# Altium PCB Weather_Station_ETH_HERMETIC.PcbDoc (part 1 of 5)
Units mil, origin at the board's own origin, x right, y up, seen from the top; angles counter-clockwise.
Board outline 6385.86 x 4338.61 mil, 2 copper layers (TopLayer, BottomLayer), stack 61.855 mil thick; 510 components, 370 nets, 1634 pads, 870 vias.
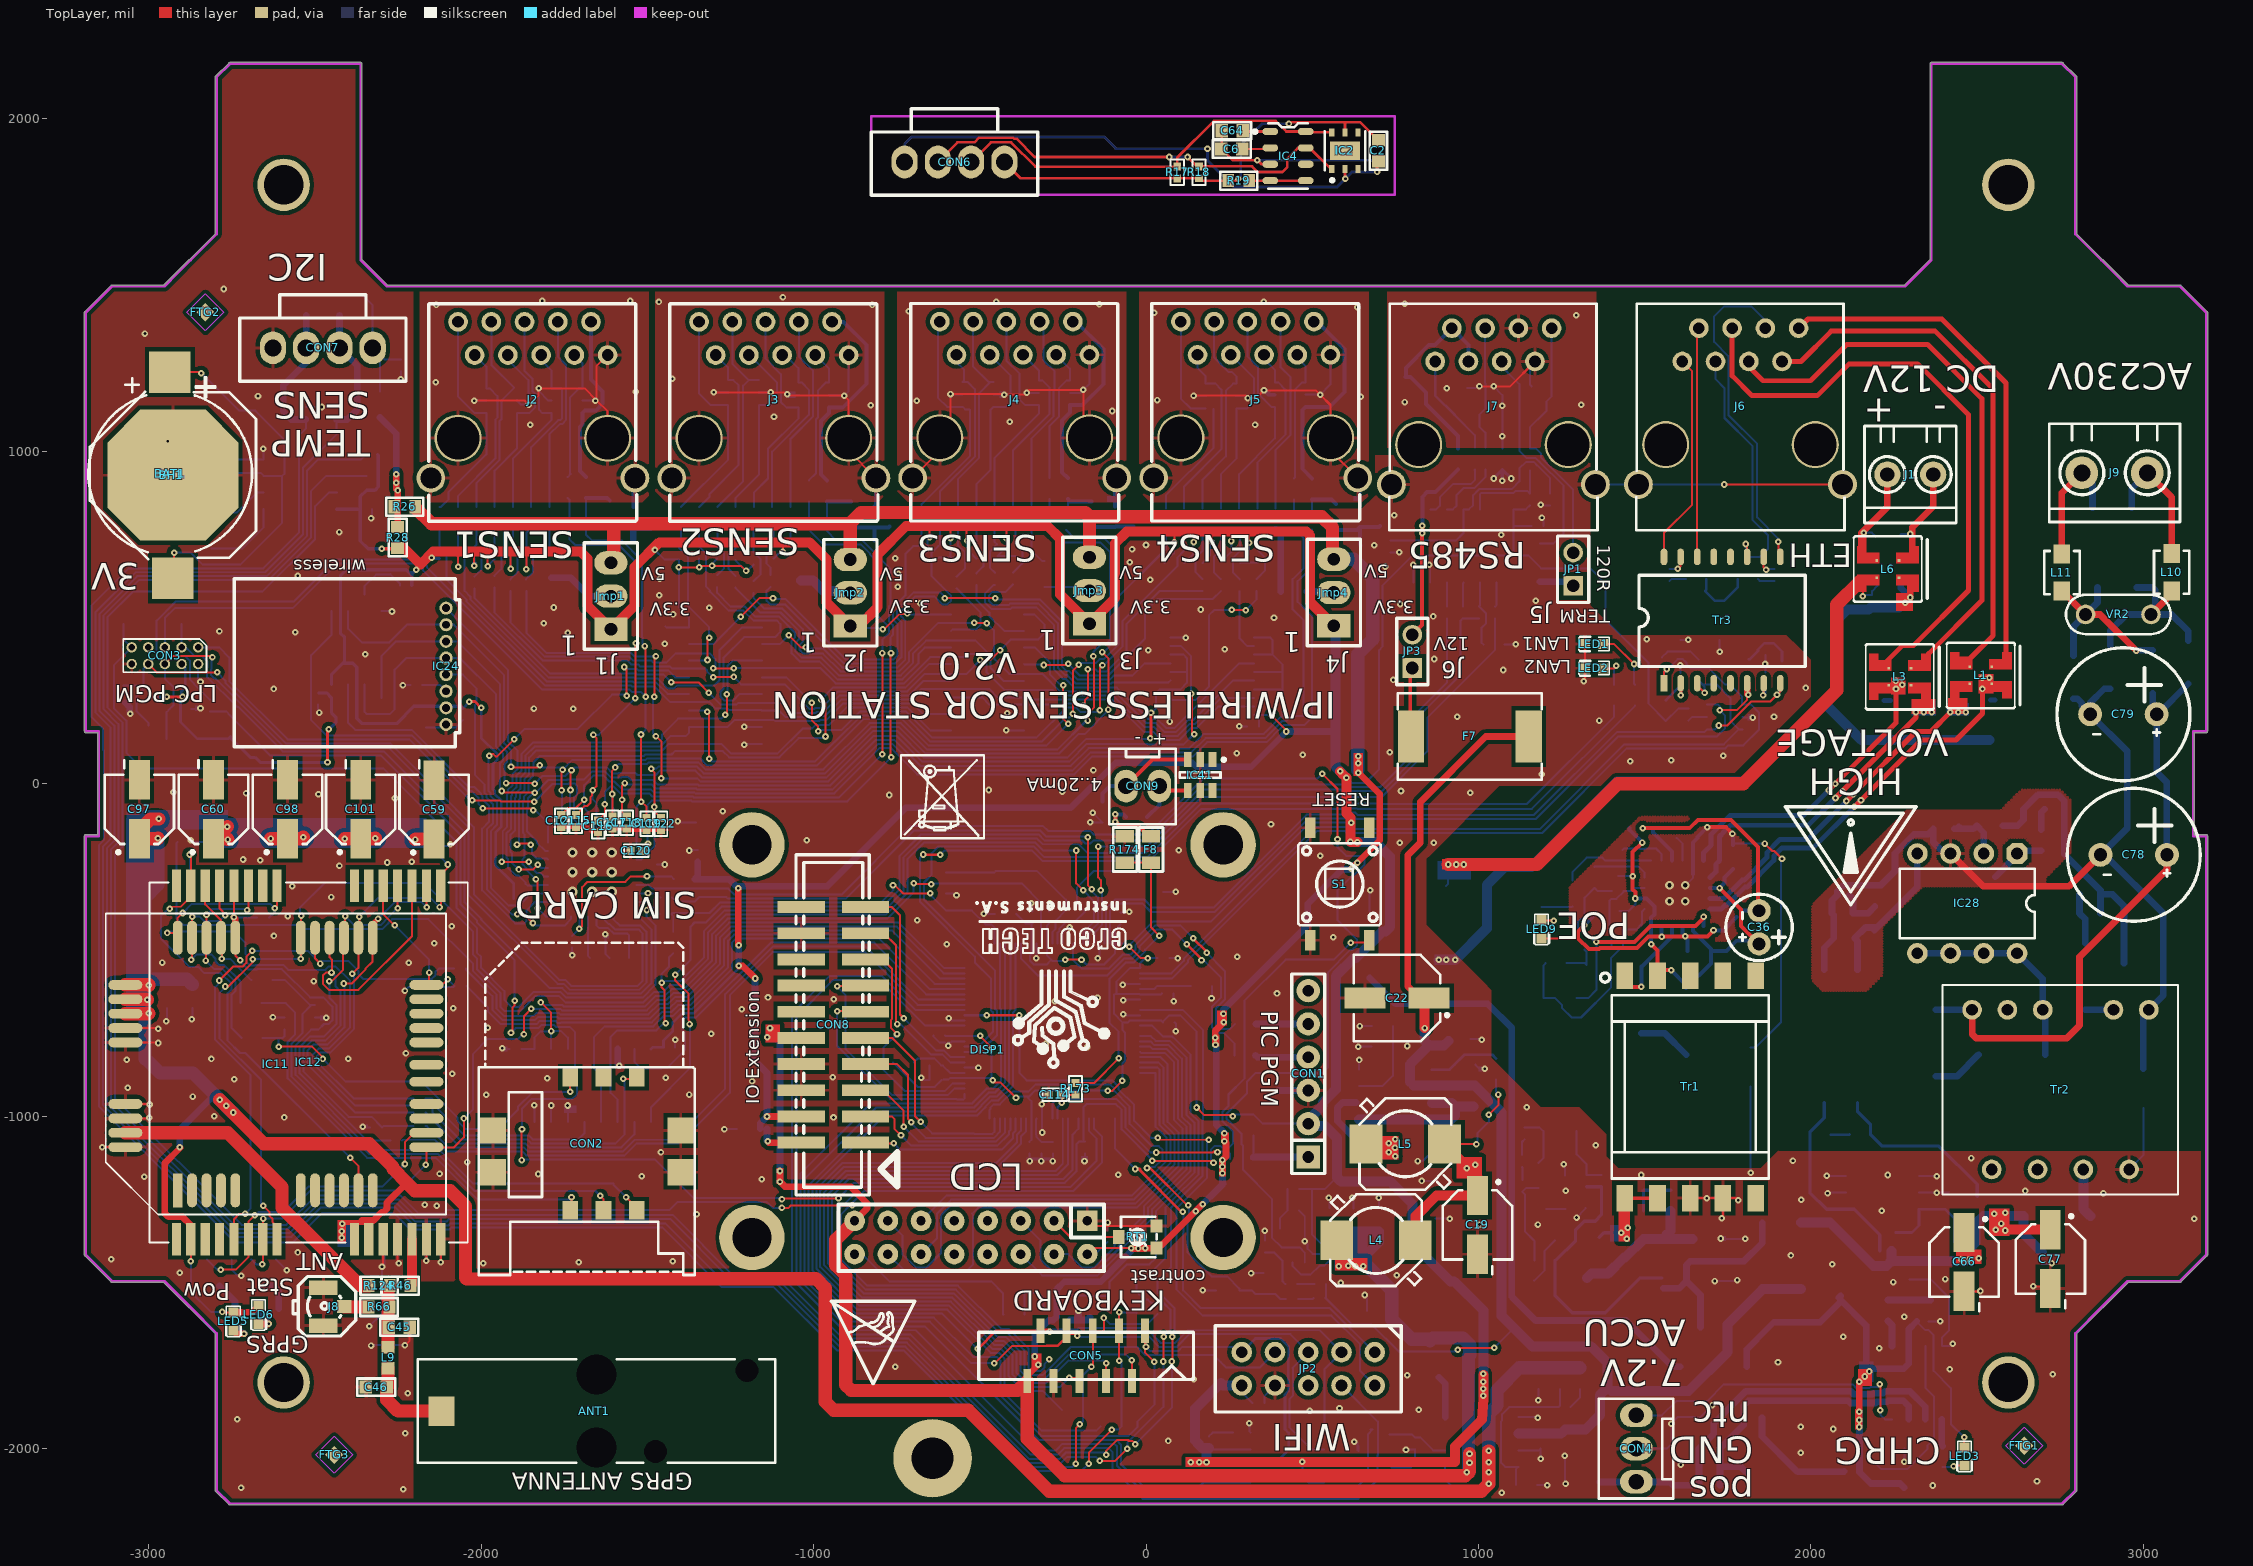
[diagram p0: TopLayer view]
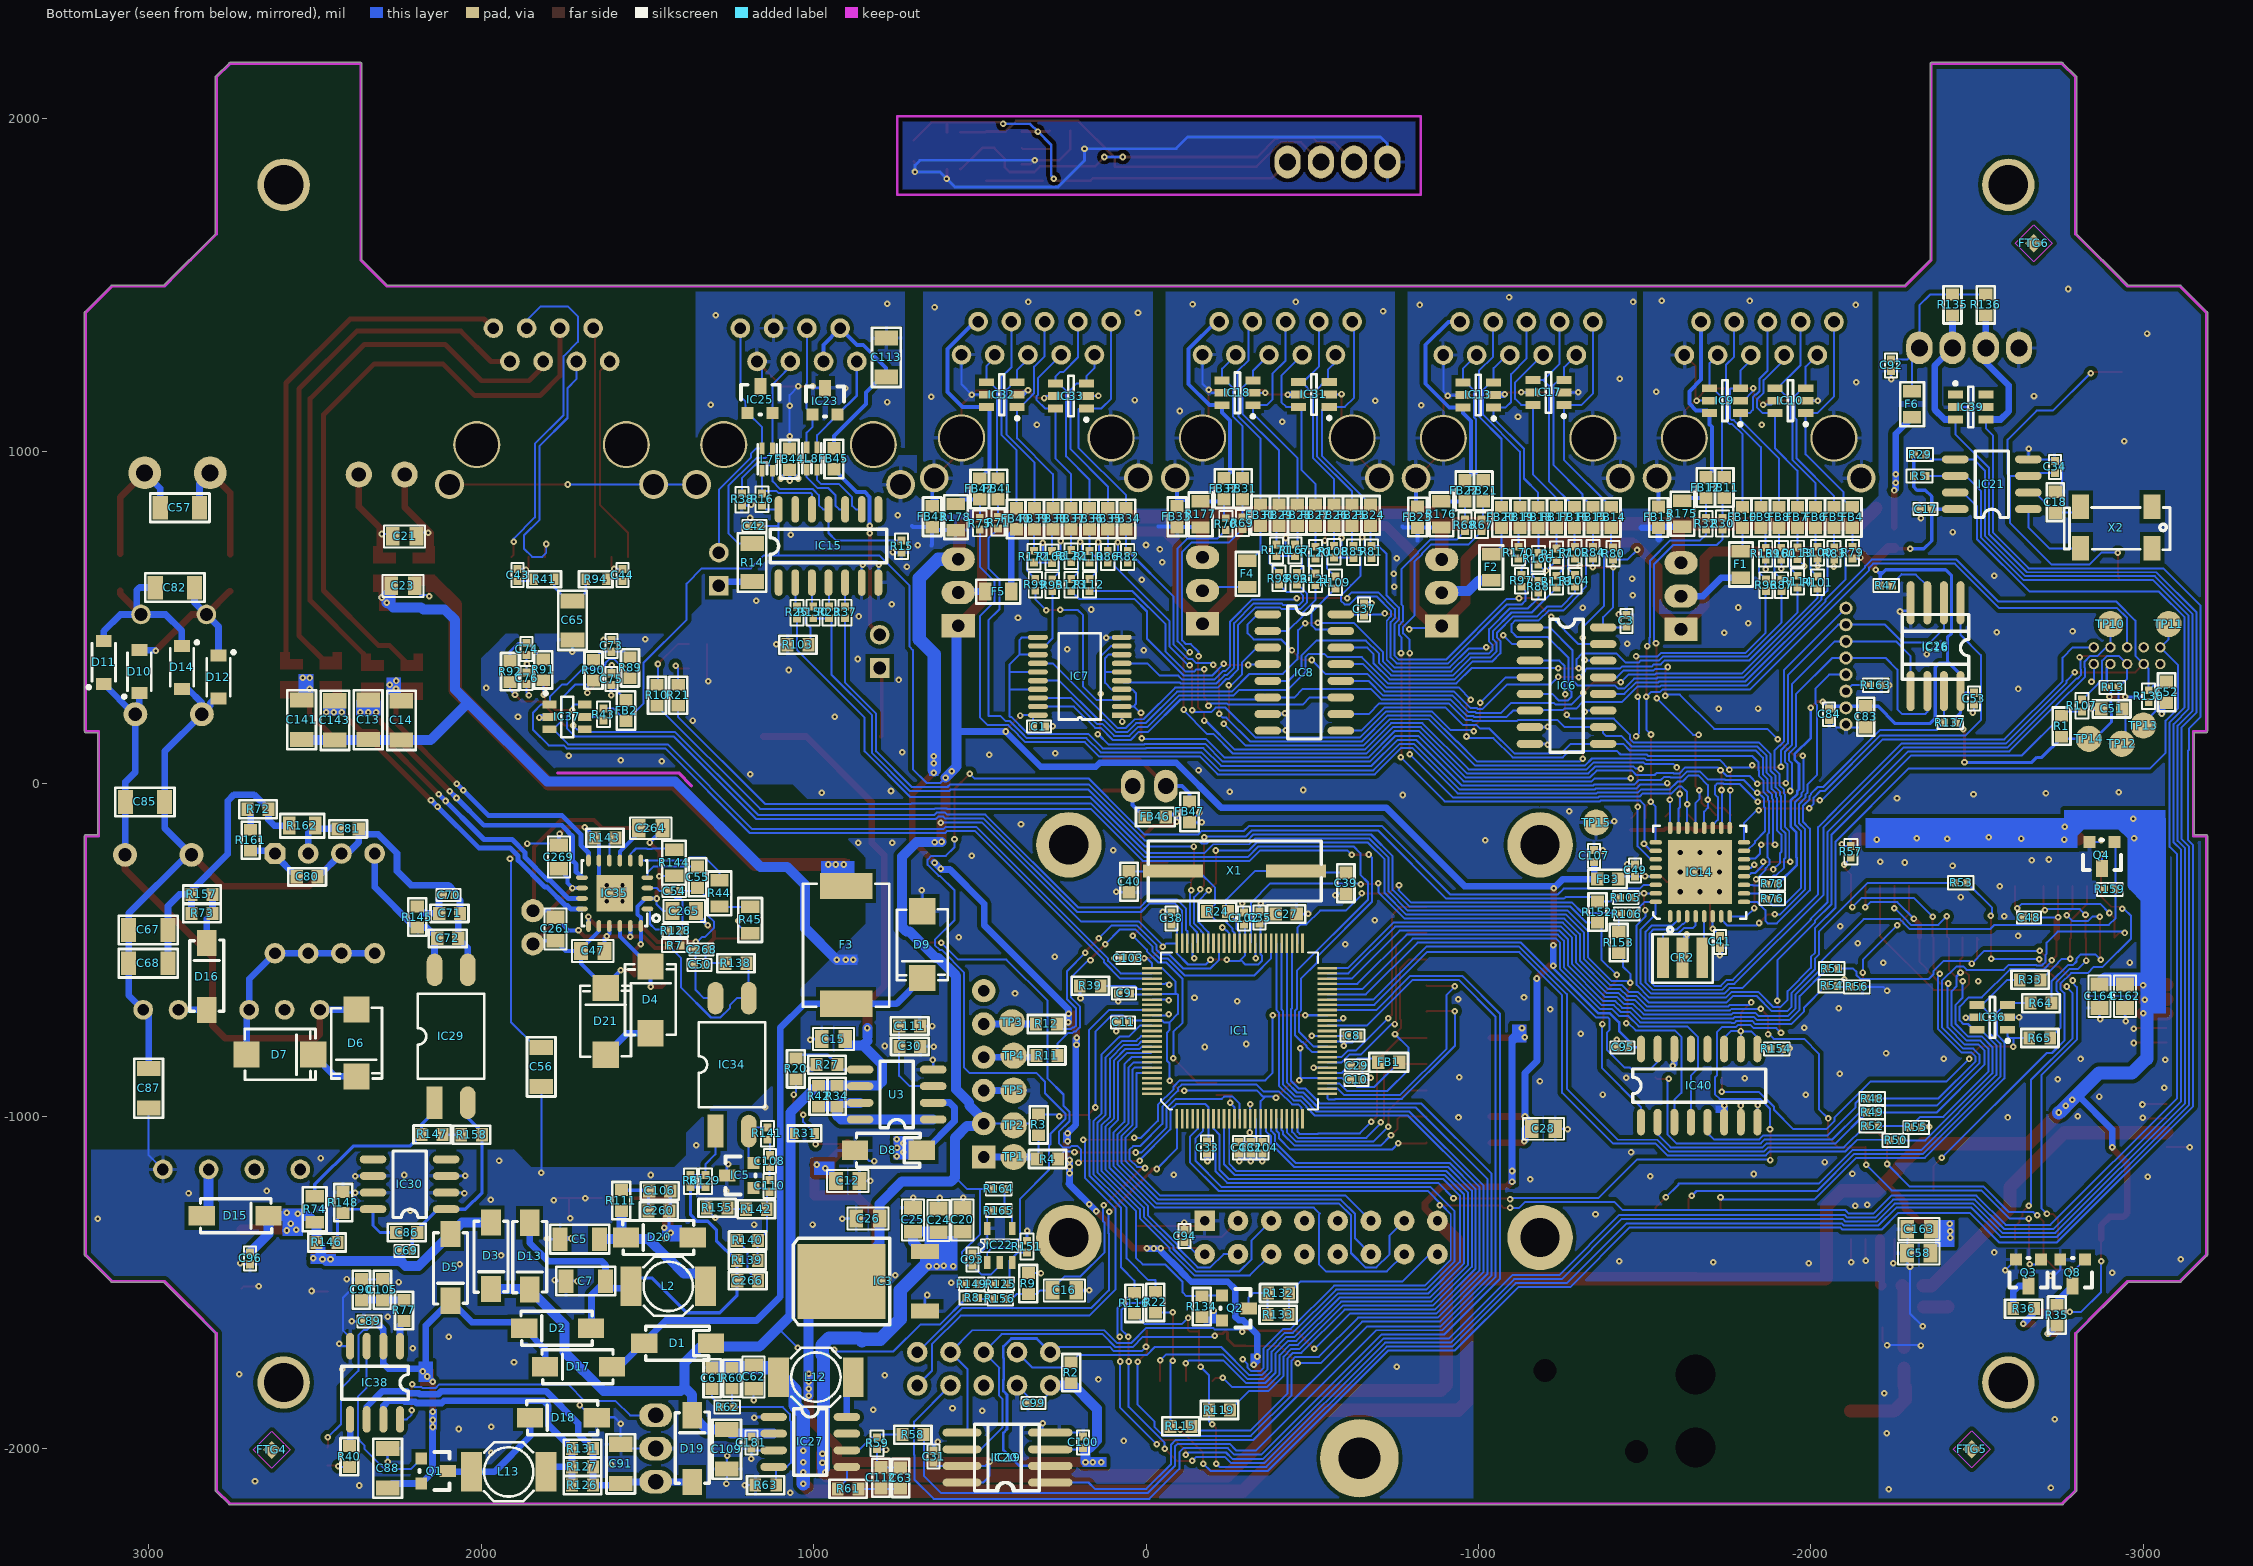
[diagram p1: BottomLayer view, seen from below]

## Layer stack, top to bottom
TopLayer: signal copper 1.4
Dielectric: core 59.0551, FR-4, Dk 4.8
BottomLayer: signal copper 1.4

## Board outline
-3191.77,-1420.12 cw(c-3188.98,-1417.32) -3192.93,-1417.32 -3192.93,-157.48 cw(c-3188.98,-157.48) -3188.98,-153.53 -3153.56,-153.53 -3153.56,153.53 -3188.98,153.53 cw(c-3188.98,157.48) -3192.93,157.48 -3192.93,1417.32 cw(c-3188.98,1417.32) -3191.77,1420.12 -3113.03,1498.86 cw(c-3110.24,1496.06) -3110.24,1500.02 -2954.39,1500.02 -2799.23,1655.18 -2799.23,2125.98 cw(c-2795.28,2125.98) -2798.07,2128.78 -2758.7,2168.15 cw(c-2755.91,2165.35) -2755.91,2169.31 -2362.2,2169.31 cw(c-2362.2,2165.35) -2358.25,2165.35 -2358.25,1576.44 -2281.83,1500.02 2281.83,1500.02 2358.25,1576.44 2358.25,2165.35 cw(c2362.2,2165.35) 2362.2,2169.31 2755.91,2169.31 cw(c2755.91,2165.35) 2758.7,2168.15 2798.07,2128.78 cw(c2795.28,2125.98) 2799.23,2125.98 2799.23,1655.18 2954.39,1500.02 3110.24,1500.02 cw(c3110.24,1496.06) 3113.03,1498.86 3191.77,1420.12 cw(c3188.98,1417.32) 3192.93,1417.32 3192.93,157.48 cw(c3188.98,157.48) 3188.98,153.53 3153.56,153.53 3153.56,-153.53 3188.98,-153.53 cw(c3188.98,-157.48) 3192.93,-157.48 3192.93,-1417.32 cw(c3188.98,-1417.32) 3191.77,-1420.12 3113.03,-1498.86 cw(c3110.24,-1496.06) 3110.24,-1500.01 2954.39,-1500.01 2799.23,-1655.18 2799.23,-2125.98 cw(c2795.28,-2125.98) 2798.07,-2128.78 2758.7,-2168.15 cw(c2755.91,-2165.35) 2755.91,-2169.31 ccw(c2755.91,-2165.35) 2758.7,-2168.15 2755.91,-2169.31 -2755.91,-2169.31 cw(c-2755.91,-2165.35) -2758.7,-2168.15 -2798.07,-2128.78 cw(c-2795.28,-2125.98) -2799.23,-2125.98 -2799.23,-1655.18 -2954.39,-1500.01 -3110.24,-1500.01 cw(c-3110.24,-1496.06) -3113.03,-1498.86

## Design rules (kind name [scope] priority, off if disabled: settings)
AcuteAngle [All] p1: minimum=6.00000000000000E+0001
Clearance Clearance_poly [(InPolygon)] p1: gap=12
Clearance [All] p2: gap=6
DiffPairsRouting [All] p1: maxlimit=20 minlimit=15 mostfreqgap=17 maxuncoupledlength=500
HoleSize [All] p1: absolutevalues=TRUE maxlimit=196.85 minlimit=7.87 maxpercent=80.000 minpercent=20.000
MinimumSolderMaskSliver [All] p1 off: minsoldermaskwidth=0
PlaneClearance [All] p1: clearance=8
PlaneConnect PlaneConnect_pad [(InPadClass('All Pads'))] p1: planeconnectstyle=Relief reliefexpansion=20 reliefentries=4 reliefconductorwidth=10 reliefairgap=10
PlaneConnect [All] p2: planeconnectstyle=Direct reliefexpansion=20 reliefentries=4 reliefconductorwidth=10 reliefairgap=10
PolygonConnect PolygonConnect_pad [(InPadClass('All Pads'))] p1: connectstyle=Relief reliefconductorwidth=10 reliefentries=4 polygonreliefangle="90 Angle"
PolygonConnect [All] p2: connectstyle=Direct reliefconductorwidth=10 reliefentries=4 polygonreliefangle="90 Angle"
RoomDefinition Weather_Station_ETH [InComponentClass('Weather_Station_ETH')] p1 off: confinementstyle=ConfineIn formatcopy=TRUE lockcomponents=FALSE outline 3237.98,-2251.96 4979,-2251.96 4979,-1862.55 3237.98,-1862.55
RoomDefinition U_ACC_charger [InComponentClass('U_ACC_charger')] p2 off: confinementstyle=ConfineIn formatcopy=TRUE lockcomponents=FALSE outline 3236.21,-2081.71 7803.14,-2081.71 7803.14,-1569.9 3236.21,-1569.9
RoomDefinition U_Temp_hum_sensor [InComponentClass('U_Temp_hum_sensor')] p3 off: confinementstyle=ConfineIn formatcopy=TRUE lockcomponents=FALSE outline -5197.33,-2005 -3505,-2005 -3505,-1398.39 -5197.33,-1398.39
RoomDefinition U_RS422 [InComponentClass('U_RS422')] p4 off: confinementstyle=ConfineIn formatcopy=TRUE lockcomponents=FALSE outline 670,425 1370,425 1370,1485 670,1485
RoomDefinition U_GPRS [InComponentClass('U_GPRS')] p5 off: confinementstyle=ConfineIn formatcopy=TRUE lockcomponents=FALSE outline -3185,-2185 -1000,-2185 -1000,255 -3185,255
RoomDefinition U_AC_SUPPLY [InComponentClass('U_AC_SUPPLY')] p6 off: confinementstyle=ConfineIn formatcopy=TRUE lockcomponents=FALSE outline 1955,-1650 3225,-1650 3225,1055 1955,1055
RoomDefinition U_supply [InComponentClass('U_supply')] p7 off: confinementstyle=ConfineIn formatcopy=TRUE lockcomponents=FALSE outline 2010,-2150 2010,65 375,65 375,-2150
RoomDefinition U_sensors [InComponentClass('U_sensors')] p8 off: confinementstyle=ConfineIn formatcopy=TRUE lockcomponents=FALSE outline -2215,60 720,60 720,1490 -2215,1490
RoomDefinition U_ETH_Wifi [InComponentClass('U_ETH_Wifi')] p9 off: confinementstyle=ConfineIn formatcopy=TRUE lockcomponents=FALSE outline 6614.88,-1331.27 11075.36,-1331.27 11075.36,936.54 6614.88,936.54
RoomDefinition U_CPU [InComponentClass('U_CPU')] p10 off: confinementstyle=ConfineIn formatcopy=TRUE lockcomponents=FALSE outline -1490,150 -120,150 -120,-2215 -1490,-2215
RoutingVias [All] p1: holewidth=7.87 width=19.68 viastyle="Through Hole" minholewidth=7.87 minwidth=19.68 maxholewidth=7.87 maxwidth=19.68
SilkToSilkClearance [All] p1 off: silktosilkclearance=0
SilkscreenOverComponentPads [All] p1: minsilkscreentomaskgap=0
SolderMaskExpansion [All] p1: expansion=4
ViasUnderSMD [All] p1: allowed=FALSE
Width Width_1 [(InDifferentialPairClass('All Differential Pairs'))] p1: maxlimit=8 minlimit=8 preferedwidth=8
Width [All] p2: maxlimit=50 minlimit=6 preferedwidth=10 minimp=50.000000 maximp=50.000000 favimp=50.000000
21 further rules are at their usual default settings.

## Classes and differential pairs
component class Weather_Station_ETH: FTG1 FTG2 FTG3 FTG4 FTG5 FTG6
component class U_CPU: C41 C49 C51 C52 C53 C83 C84 C93 C115 C116 C117 C118 C119 C120 C121 C122 CON3 CR2 FB3 IC14 IC16 IC22 IC24 IC26 R13 R47 R76 R78 R105 R106 R107 R125 R130 R137 R149 R151 R163 R164 R165 TP10 TP11 TP12 TP13 TP14 TP15
component class U_ETH_Wifi: BAT1 BH1 C4 C8 C9 C10 C11 C16 C17 C18 C29 C31 C32 C33 C34 C35 C38 C39 C40 C43 C44 C65 C73 C74 C75 C76 C92 C94 C95 C99 C100 C102 C103 C104 C107 C114 CON1 CON5 CON7 CON8 CON9 DISP1 F6 F8 FB1 FB2 FB46 FB47 IC1 IC19 IC20 IC21 IC37 IC39 IC40 IC41 J6 JP2 LED1 LED2 Q2 R1 R2 R3 R4 R5 R8 R9 R10 R11 R12 R21 R22 R24 R26 R28 R29 R39 R41 R43 R89 R90 R91 R92 R94 R115 R116 R119 R132 R133 R134 R135 R136 R152 R153 R154 R156 R173 R174 RT1 S1 TP1 TP2 TP3 TP4 TP5 Tr3 X1 X2
component class U_supply: C5 C7 C12 C13 C14 C15 C19 C20 C21 C22 C23 C24 C25 C26 C27 C28 C30 C36 C47 C50 C54 C55 C56 C106 C108 C110 C111 C141 C143 C260 C261 C264 C265 C266 C268 C269 D1 D3 D4 D8 D9 D13 D20 D21 F3 IC3 IC5 IC34 IC35 J1 L1 L2 L3 L4 L5 L6 LED9 R6 R7 R20 R27 R31 R34 R42 R44 R45 R111 R128 R129 R138 R139 R140 R141 R142 R143 R144 R155 Tr1 U3
component class U_Temp_hum_sensor: C2 C6 C64 CON6 IC2 IC4 R17 R18 R19
component class U_AC_SUPPLY: C57 C66 C67 C68 C69 C70 C71 C72 C77 C78 C79 C80 C81 C82 C85 C86 C87 C96 D6 D7 D10 D11 D12 D14 D15 D16 IC28 IC29 IC30 J9 L10 L11 R72 R73 R74 R145 R146 R147 R148 R157 R158 R161 R162 Tr2 VR2
component class U_GPRS: ANT1 C45 C46 C48 C58 C59 C60 C61 C62 C63 C97 C98 C101 C109 C112 C162 C163 C164 C181 CON2 E1 IC11 IC12 IC27 IC36 J8 L9 L12 LED5 LED6 Q3 Q4 Q8 R33 R35 R36 R46 R48 R49 R50 R51 R52 R53 R54 R55 R56 R57 R58 R59 R60 R61 R62 R63 R64 R65 R66 R124 R159 U1 U2 U20
component class U_RS422: C42 C113 F7 FB44 FB45 IC15 IC23 IC25 J7 JP1 JP3 JP222 L7 L8 R14 R15 R16 R23 R25 R37 R38 R103 R150
component class U_sensors: C1 C3 C37 F1 F2 F4 F5 FB4 FB5 FB6 FB7 FB8 FB9 FB10 FB11 FB12 FB13 FB14 FB15 FB16 FB17 FB18 FB19 FB20 FB21 FB22 FB23 FB24 FB25 FB26 FB27 FB28 FB29 FB30 FB31 FB32 FB33 FB34 FB35 FB36 FB37 FB38 FB39 FB40 FB41 FB42 FB43 IC6 IC7 IC8 IC9 IC10 IC13 IC17 IC18 IC31 IC32 IC33 J2 J3 J4 J5 Jmp1 Jmp2 Jmp3 Jmp4 R30 R32 R67 R68 R69 R70 R71 R75 R79 R80 R81 R82 R83 R84 R85 R86 R87 R88 R93 R95 R96 R97 R98 R99 R100 R101 R102 R104 R108 R109 R110 R112 R113 R114 R117 R118 R120 R121 R122 R123 R160 R166 R167 R168 R169 R170 R171 R172 R175 R176 R177 R178
component class U_ACC_charger: C88 C89 C90 C91 C105 CON4 D2 D5 D17 D18 D19 IC38 L13 LED3 Q1 R40 R77 R126 R127 R131

## Components (designator, comment, footprint, x,y, rotation, side; value= is the part's Value field where it differs from the comment)
ANT1 "1020B5812-01" ANT27.3X7.9 -1652.76,-1887.05 r270 top locked
BAT1 "CR1220  battery" cr1220 -2935,933 r90 top
BH1 "CR1220 Keystone 3000 (1650692)" CR1220_Keystone_3000 -2927,928 r270 top locked
C1 "100nF" 0402C 322,172 r180 bottom
C2 "1u" 0603C 699,1903.49 r90 top
C3 "100nF" 0402C -1445,490 r90 bottom
C4 "100nF" 0402C -279,-1095 r90 bottom
C5 "22u/16V" 1206C 1702.06,-1370 r0 bottom
C6 "1u" 0603C 258.49,1909 r0 top
C7 "22u/16V" 1206C 1684.06,-1496 r0 bottom
C8 "100nF" 0402C -621.67,-757.6 r0 bottom
C9 "100nF" 0402C 65.72,-631 r0 bottom
C10 "100nF" 0402C -633,-891 r180 bottom
C11 "100nF" 0402C 68.72,-718 r0 bottom
C12 "10u/10V" 0805C 897,-1195 r180 bottom
C13 "1nF/1kV" 1206C 2339.57,191.43 r90 bottom
C14 "1nF/1kV" 1206C 2239.57,191.48 r270 bottom
C15 "100n/100V" 0805C 940,-768 r0 bottom
C16 "10u/10V" 0805C 245.57,-1524 r180 bottom
C17 "100nF" 0402C -2345.28,826 r0 bottom
C18 "nm (22p)" 0603C -2735,847 r90 bottom
C19 "B41142A4227M" CAP_SMT_EL_5mm_C 997,-1327 r270 top
C20 "10u/10V" 0805C 552,-1312 r90 bottom
C21 "100n/100V" 0805C 2230,744.02 r180 bottom
C22 "ECLZ22/35" CAP_SMT_EL_6.3mm_D 755,-645 r180 top
C23 "100n/100V" 0805C 2235,595 r0 bottom
C24 "10u/10V" 0805C 624,-1313.57 r90 bottom
C25 "10u/10V" 0805C 701,-1312 r90 bottom
C26 "10u/10V" 0805C 836,-1308 r0 bottom
C27 "1u" 0603C -422,-392 r180 bottom
C28 "10u/10V" 0805C -1195.43,-1038 r180 bottom
C29 "100nF" 0402C -634,-848 r0 bottom
C30 "120pF" 0603C 710,-790 r0 bottom
C31 "100nF" 0402C 639,-2024.28 r270 bottom
C32 "100nF" 0402C -315,-1095 r90 bottom
C33 "100nF" 0402C -184,-1094.72 r270 bottom
C34 "100nF" 0402C -2733.69,952.72 r90 bottom
C35 "100nF" 0402C -341.67,-402.6 r90 bottom
C36 "10u/100V LESR" RB.1/.2 1844,-482 r270 top locked
C37 "100nF" 0402C -656.26,524.37 r90 bottom
C38 "100nF" 0402C -76.67,-405.32 r90 bottom
C39 "33P" 0603C -601,-299 r90 bottom
C40 "33P" 0603C 51,-295 r90 bottom
C41 "100nF" 0402C -1726,-475.72 r270 bottom
C42 "100nF" 0402C 1177.72,775 r180 bottom
C43 "100nF" 0402C 1890,627.72 r90 bottom
C44 "100nF" 0402C 1575,627.72 r90 bottom
C45 "nm" 0603C -2246.5,-1635 r0 top
C46 "nm" 0603C -2315,-1815 r180 top
C47 "100n/100V" 0805C 1664,-503 r180 bottom
C48 "100nF" 0402C -2655.72,-403 r0 bottom
C49 "100nF" 0402C -1471,-261 r90 bottom
C50 "100nF" 0402C 1342.72,-545 r0 bottom
C51 "3n3" 0603C -2904.5,225 r180 bottom
C52 "3n3" 0603C -3070,275 r90 bottom
C53 "100nF" 0402C -2490,256 r270 bottom
C54 "100nF" 0402C 1419,-323 r180 bottom
C55 "1u" 0603C 1349,-281.5 r270 bottom
C56 "1nF/1kV" 1206C 1819,-851.06 r270 bottom
C57 "22nF/500V" 1206C 2904.94,830 r0 bottom
C58 "10u/10V" 0805C -2324.57,-1412.76 r180 bottom
C59 "B41142A4227M" CAP_SMT_EL_5mm_C -2141,-78 r90 top locked
C60 "B41142A4227M" CAP_SMT_EL_5mm_C -2805,-77 r90 top locked
C61 "150p" 0603C 1305,-1788.5 r270 bottom
C62 "10u/10V" 0805C 1180,-1784.57 r270 bottom
C63 "3n3" 0603C 738,-2088.5 r90 bottom
C64 "1u" 0603C 259,1964 r0 top
C65 "1nF/1kV" 1206C 1725,491.94 r270 bottom
C66 "B41142A4227M" CAP_SMT_EL_5mm_C 2461,-1438.42 r270 top
C67 "22u/16V" 1206C 3000,-440 r0 bottom
C68 "22u/16V" 1206C 3000,-540 r0 bottom
C69 "nm" 0402C 2225,-1405 r0 bottom
C70 "100nF" 0402C 2097.72,-335 r180 bottom
C71 "220n" 0603C 2095,-390 r180 bottom
C72 "22n" 0603C 2100,-465 r180 bottom
C73 "100nF" 0402C 1608,414.72 r270 bottom
C74 "100nF" 0402C 1863,405.03 r90 bottom
C75 "100nF" 0402C 1608,314.59 r270 bottom
C76 "100nF" 0402C 1863,317.31 r270 bottom
C77 "B41142A4227M" CAP_SMT_EL_5mm_C 2720,-1430 r270 top locked
C78 "ECA2WM2R2" RB.2/.4 2971,-214 r0 top locked
C79 "ECA2WM2R2" RB.2/.4 2940,209 r0 top locked
C80 "3n3" 0603C 2523.5,-280 r0 bottom
C81 "22n" 0603C 2400,-136 r0 bottom
C82 "22nF/500V" 1206C 2920,590 r0 bottom
C83 "1u" 0603C -2165,201.15 r270 bottom
C84 "100nF" 0402C -2055,208.87 r90 bottom
C85 "22nF/500V" 1206C 3010,-55 r0 bottom
C86 "220n" 0603C 2223.5,-1350 r0 bottom
C87 "1nF/1kV" 1206C 3000,-915 r270 bottom
C88 "22u/16V" 1206C 2281,-2058.06 r270 bottom
C89 "100nF" 0402C 2336,-1617 r0 bottom
C90 "220n" 0603C 2360,-1522.5 r90 bottom
C91 "22u/16V" 1206C 1580,-2046.94 r90 bottom
C92 "100nF" 0402C -2241,1258.5 r90 bottom
C93 "100nF" 0402C 522,-1431.72 r270 bottom
C94 "100nF" 0402C -116,-1361 r270 bottom
C95 "100nF" 0402C -1433.72,-793 r0 bottom
C96 "100nF" 0402C 2695,-1427.72 r270 bottom
C97 "B41142A4227M" CAP_SMT_EL_5mm_C -3028,-77 r90 top locked
C98 "B41142A4227M" CAP_SMT_EL_5mm_C -2582,-77 r90 top locked
C99 "100nF" 0402C 338,-1863 r0 bottom
C100 "100nF" 0402C 189,-1981 r90 bottom
C101 "B41142A4227M" CAP_SMT_EL_5mm_C -2362,-77 r90 top locked
C102 "100nF" 0402C -295,-405 r90 bottom
C103 "100nF" 0402C 52.72,-525 r0 bottom
C104 "100nF" 0402C -351,-1095 r270 bottom
C105 "220n" 0603C 2297,-1522.5 r90 bottom
C106 "33p" 0603C 1462.5,-1225 r0 bottom
C107 "100nF" 0402C -1348,-217.28 r90 bottom
C108 "100nF" 0402C 1131,-1135.28 r270 bottom
C109 "22u/16V" 1206C 1261,-2001 r270 bottom
C110 "100nF" 0402C 1132,-1209.72 r270 bottom
C111 "33p" 0603C 711,-729 r0 bottom
C112 "3n3" 0603C 797,-2088 r90 bottom
C113 "22u/16V" 1206C 781,1281 r90 bottom
C114 "100nF" 0402C -275,-936 r0 top
C115 "nm" 0402C -1715,-112 r90 top
C116 "nm" 0402C -1648,-128 r90 top
C117 "nm" 0402C -1605,-117 r90 top
C118 "nm" 0402C -1562,-117 r90 top
C119 "nm" 0402C -1502,-121 r90 top
C120 "nm" 0402C -1533.13,-202.02 r0 top
C121 "nm" 0402C -1759,-112 r90 top
C122 "nm" 0402C -1459,-121 r90 top
C141 "1nF/1kV" 1206C 2539.57,191.43 r90 bottom
C143 "1nF/1kV" 1206C 2439.57,191.48 r270 bottom
C162 "10u/10V" 0805C -2945,-639.57 r90 bottom
C163 "10u/10V" 0805C -2325.43,-1340 r180 bottom
C164 "10u/10V" 0805C -2868.23,-639.57 r90 bottom
C181 "100nF" 0402C 1187,-1981.72 r90 bottom
C260 "33p" 0603C 1465,-1285 r0 bottom
C261 "100n/100V" 0805C 1776,-437 r90 bottom
C264 "100n/100V" 0805C 1490,-134 r0 bottom
C265 "100n/100V" 0805C 1389,-383 r180 bottom
C266 "3n3" 0603C 1198.5,-1495 r0 bottom
C268 "100nF" 0402C 1336.72,-499 r0 bottom
C269 "100n/100V" 0805C 1766,-220.57 r90 bottom
CON1 "6x goldpin 2.54" SIP6 488,-1122.69 r0 top locked
CON2 "CARD-SIME6C10" CON_CARD-SIME6C10 -1682,-1083 r180 top locked
CON3 "goldPIN 1.27 2x5" CON_2x5_MINI -2851,410 r180 top
CON4 "WF03S-JS or 22-27-2031" CON_WF03S-LF 1475,-1900 r180 top locked
CON5 "SFW10S-2STE9LF" SFW10S-2STE9LF -179.83,-1721.21 r180 top locked
CON6 "nm" WZ04S -426,1870 r180 top
CON7 "WZ04S or 901361204" WZ04S -2326,1311 r180 top locked
CON8 "BHMT20S-E" BHMT20S -940.46,-725.33 r90 top locked
CON9 "WF02S-JS or 22-27-2021" CON_WF02S-LF -60,-7 r270 top
CR2 "QDCV12M00" CERAMIC_RES_QDCV -1751.74,-524 r180 bottom
D1 "SS18" DO-214AC/SMA 1409,-1683 r180 bottom
D2 "SS18" DO-214AC/SMA 1770,-1638 r0 bottom
D3 "SS18" DO-214AC/SMA 1970,-1420 r270 bottom
D4 "P6SMB15A" DO-214AA/SMB 1490,-650 r90 bottom
D5 "SS18" DO-214AC/SMA 2092,-1455 r270 bottom
D6 "SMAJ188A-TR" DO-214AA/SMB 2375,-780 r270 bottom
D7 "ER1G" DO-214AA/SMB 2605,-815 r180 bottom
D8 "SS18" DO-214AC/SMA 775,-1103 r180 bottom
D9 "P6SMB15A" DO-214AA/SMB 673,-484 r270 bottom
D10 "S1ML" SOD-123 3028,337 r90 bottom
D11 "S1ML" SOD-123 3135,365 r90 bottom
D12 "S1ML" SOD-123 2790,320.43 r270 bottom
D13 "SS18" DO-214AC/SMA 1854,-1421 r270 bottom
D14 "S1ML" SOD-123 2900,350 r270 bottom
D15 "SS18" DO-214AC/SMA 2740,-1300 r180 bottom
D16 "SS18" DO-214AC/SMA 2825,-580 r90 bottom
D17 "SS18" DO-214AC/SMA 1707,-1754 r0 bottom
D18 "SS18" DO-214AC/SMA 1752.61,-1907 r0 bottom
D19 "SS18" DO-214AC/SMA 1365,-2000 r90 bottom
D20 "SS18" DO-214AC/SMA 1464,-1365 r0 bottom
D21 "ER1G" DO-214AA/SMB 1625,-715.15 r90 bottom
DISP1 "PBD16S + LCMFD0802C6NBLWC" LCMFD0802C6NBLWC 310.74,-1498.96 r180 top locked
F1 "RFSI050" 0805R -1789.36,659.33 r270 bottom
F2 "RFSI050" 0805R -1038,651 r270 bottom
F3 "RFSM250 or MF-SM250-2-99" SMD150-2 902,-485 r270 bottom
F4 "RFSI050" 0805R -305,631 r270 bottom
F5 "RFSI050" 0805R 444.63,578 r0 bottom
F6 "RFSI050" 0805R -2304,1141 r270 bottom
F7 "RFSM110 or MF-SM100-2-99" SMD150-2 974,142 r180 top
F8 "RFSI050" 0805R 15,-198 r270 top
FB1 "100R/1A" 0603L -730,-838 r180 bottom
FB2 "100R/1A" 0603L 1564,220 r90 bottom
FB3 "100R/1A" 0603L -1388.5,-287 r180 bottom
FB4 "100R/1A" 0603L -2124.36,800.82 r270 bottom
FB5 "100R/1A" 0603L -2069.36,800.82 r270 bottom
FB6 "100R/1A" 0603L -2014.36,800.82 r270 bottom
FB7 "100R/1A" 0603L -1959.36,800.82 r270 bottom
FB8 "100R/1A" 0603L -1904.36,800.82 r270 bottom
FB9 "100R/1A" 0603L -1849.36,800.82 r270 bottom
FB10 "100R/1A" 0603L -1794.36,800.82 r270 bottom
FB11 "100R/1A" 0603L -1739.36,890.82 r270 bottom
FB12 "100R/1A" 0603L -1684.36,890.82 r270 bottom
FB13 "100R/1A" 0603L -1542,801 r270 bottom
FB14 "100R/1A" 0603L -1399.36,800.82 r270 bottom
FB15 "100R/1A" 0603L -1344.36,800.82 r270 bottom
FB16 "100R/1A" 0603L -1289.36,800.82 r270 bottom
FB17 "100R/1A" 0603L -1234.36,800.82 r270 bottom
FB18 "100R/1A" 0603L -1179.36,800.82 r270 bottom
FB19 "100R/1A" 0603L -1124.36,800.82 r270 bottom
FB20 "100R/1A" 0603L -1069.36,800.82 r270 bottom
FB21 "100R/1A" 0603L -1014.36,880.82 r270 bottom
FB22 "100R/1A" 0603L -959.36,880.82 r270 bottom
FB23 "100R/1A" 0603L -817,802 r270 bottom
FB24 "100R/1A" 0603L -675,807.36 r270 bottom
FB25 "100R/1A" 0603L -620,807.36 r270 bottom
FB26 "100R/1A" 0603L -565,807.36 r270 bottom
FB27 "100R/1A" 0603L -510,807.36 r270 bottom
FB28 "100R/1A" 0603L -455,807.36 r270 bottom
FB29 "100R/1A" 0603L -400,807.36 r270 bottom
FB30 "100R/1A" 0603L -345,807.36 r270 bottom
FB31 "100R/1A" 0603L -290,887.36 r270 bottom
FB32 "100R/1A" 0603L -235,887.36 r270 bottom
FB33 "100R/1A" 0603L -93,803 r270 bottom
FB34 "100R/1A" 0603L 60,796.5 r270 bottom
FB35 "100R/1A" 0603L 115,796.5 r270 bottom
FB36 "100R/1A" 0603L 170,796.5 r270 bottom
FB37 "100R/1A" 0603L 225,796.5 r270 bottom
FB38 "100R/1A" 0603L 280,796.5 r270 bottom
FB39 "100R/1A" 0603L 335,796.5 r270 bottom